# Altium PCB MCH_MAIN.PCBDOC (part 12 of 14)
Units mil, origin at the board's own origin, x right, y up, seen from the top; angles counter-clockwise.
Board outline 7110.66 x 2894.12 mil, 6 copper layers (Top Layer, Power, MidLayer1, MidLayer4, GND, Bottom Layer), stack 61.549 mil thick; 630 components, 1085 nets, 3940 pads, 2676 vias.
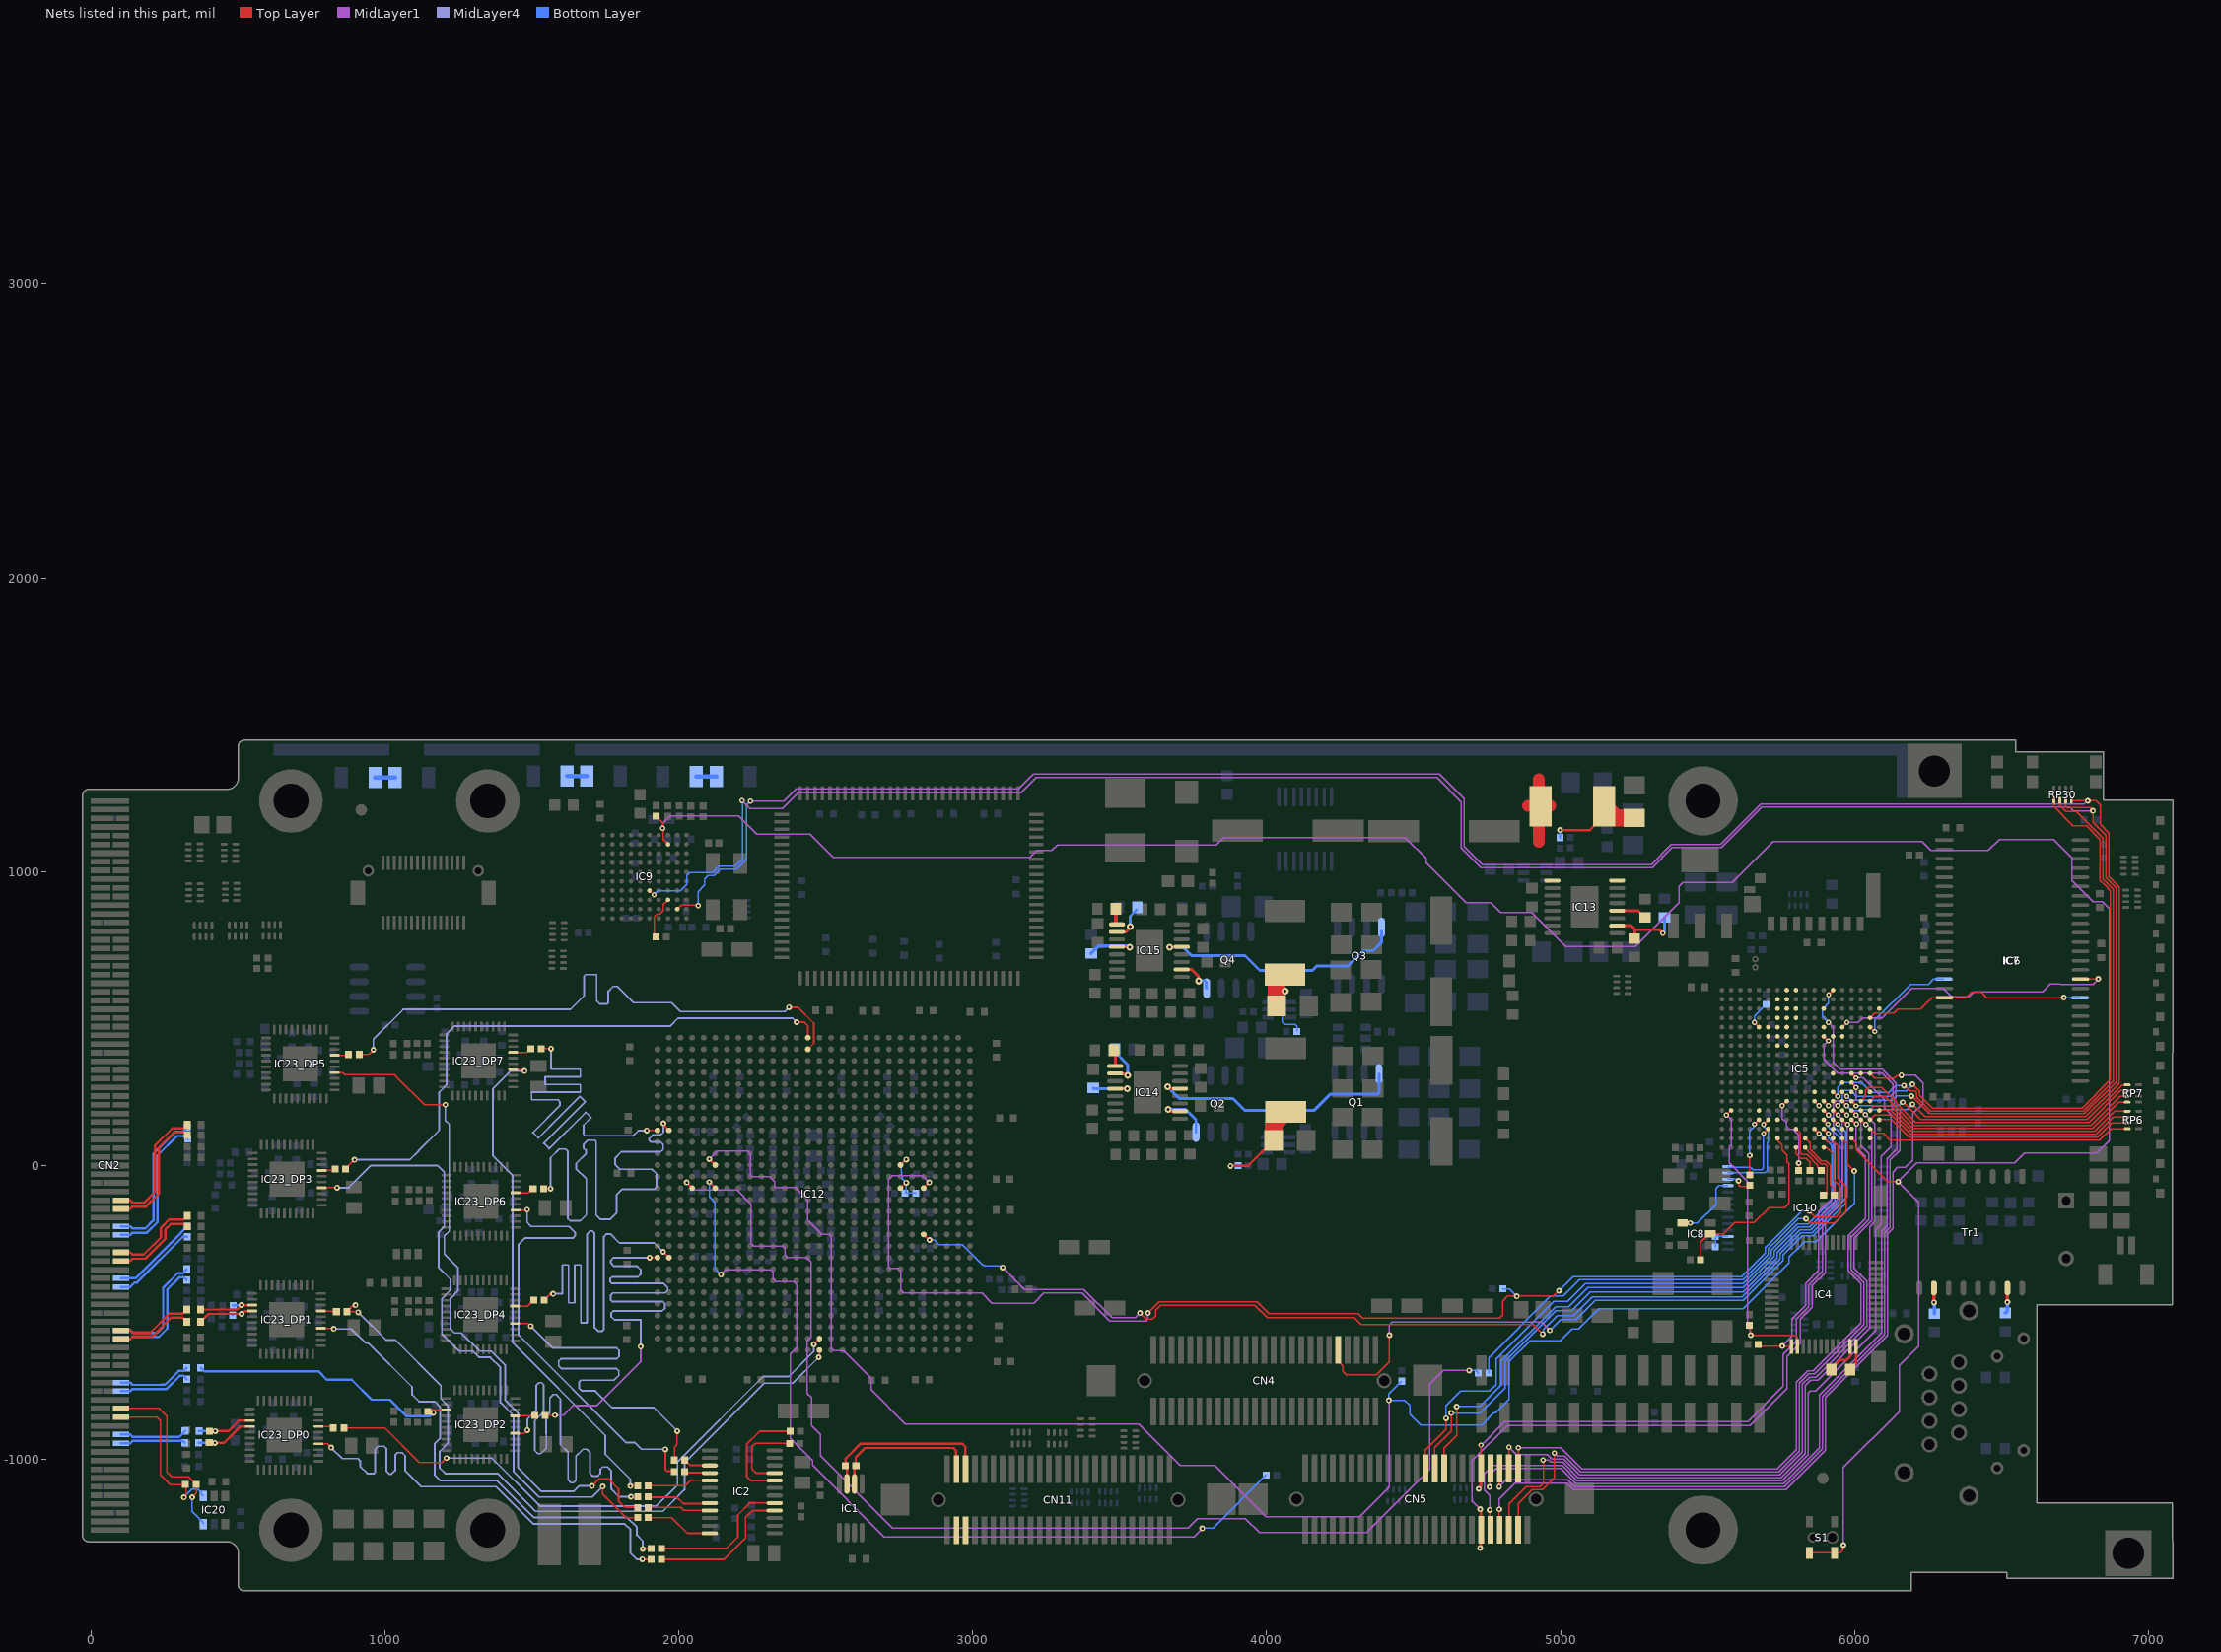
[diagram p16: the nets of this part, all layers, seen from the top]

## Via types
v1: diameter 20, hole 8, Top Layer to Bottom Layer, tented both sides, 1658 vias
v2: diameter 18, hole 8, Top Layer to Bottom Layer, tented both sides, 580 vias
v3: diameter 24, hole 10, Top Layer to Bottom Layer, tented both sides, 438 vias

## Nets (pads, with @x,y where several pads share a name; then routed paths per layer and width w, separated by ;. In a path a pad name is that pad's centre, name@x,y a point inside that pad or via, vN(x,y) a via of type N, cw(c..) or ccw(c..) an arc to the next point about the centre after c; other vN are vias at no path point) (continued)
NetIC4_37: IC4.37 IC5.D11 R47.2 | length 1157.5
  Top Layer w5: R47.2@5671.72,-608.1 5677.72,-614.1 v1(5754,-614.1) IC4.37@5783,-614.1
  Top Layer w8: IC5.D11@5989.56,281.88 v2(6005.31,266.13)
  MidLayer1 w5: v1(5754,-614.1) 5786.15,-581.95 5786.15,-522.75 5834.1,-474.8 5834.1,-423.6 5834.3,-423.4 5834.3,-401 5878.1,-357.2 5878.1,-157.5 5927.3,-108.3 5927.3,101.8 ; 5927.32,101.81 5927.32,115.48 ; 5927.3,115.5 5927.3,210.84 5935.92,219.46 5999.27,219.46 6005.31,225.5 v2(6005.31,266.13)
NetIC4_38: IC4.38 IC5.U14 R48.2 | length 1047.1
  Top Layer w5: v2@5564.39,171.94 5564.39,172.11 5579.89,187.61 IC5.U14@5580,187.72 ; R48.2@5641,-542.82 5646.48,-548.3 5646.6,-548.3 5646.6,-576.5 v1(5646,-577.1) 5797,-577.1 5805,-585.1 IC4.38@5805,-616.1
  MidLayer1 w5: v2@5562.42,173.91 5579.77,156.56 5579.77,71.05 5573.64,64.92 5573.64,8.32 5636.5,-54.54 5636.5,-549.6 5645,-558.1 5645,-574.1 5644,-575.1 v1@5645.72,-576.82 ; v1(5646,-577.1) v1@5645.72,-576.82 ; v1@5648.76,-576.82 v1@5645.72,-576.82
  other v2: 5564.25,171.97
NetIC4_47: IC4.47 R51.2 | length 117.8
  Top Layer w8: R51.2@5921.5,-694.1 5921.5,-690.6 5950,-662.1 5973,-662.1 5985,-650.1 IC4.47@5985,-616.1
NetIC4_48: IC4.48 R51.1 | length 86.5
  Top Layer w8: R51.1@5984.5,-694.1 6005,-673.6 IC4.48@6005,-616.1
NetIC5_A3: IC5.A3
NetIC5_B5: IC5.B5 IC7.39 | length 354.8
  Top Layer w5: IC5.B5@6052.55,470.85 6068.5,454.9 6069,454.9 v2(6069,455.9)
  Bottom Layer w5: v2(6069,455.9) 6069,476.9 6069,494.9 6190.83,616.73 6202,616.73 6251.43,616.73 6268.6,633.9 6269.4,633.9 ; 6269.07,634.18 IC7.39@6302.86,634.18
NetIC5_B12: IC5.B12
NetIC5_C10: IC5.C10
NetIC5_C12: IC5.C12
NetIC5_D12: IC5.D12
NetIC5_E5: IC5.E5 IC6.39 | length 1022.9
  Top Layer w5: IC6.39@6768.84,634.18 IC6.39@6768.84,634.18 6828.48,634.18 v1(6828.9,634.6)
  Top Layer w8: IC5.E5@5958.06,470.85 v2(5973.81,486.6)
  MidLayer1 w5: v2(5973.81,486.6) 6012.16,486.6 6027.9,502.34 6093.91,502.34 6187.33,595.77 ; 6187.4,595.7 6194.2,602.5 6300.8,602.5 6329.6,573.7 6388.55,573.7 6406.22,591.38 6639.68,591.38 6665.2,616.9 6700.66,616.9 6700.83,616.73 6811.03,616.73 v1(6828.9,634.6)
NetIC5_E6: IC5.E6
NetIC5_E11: IC5.E11
NetIC5_F6: IC5.F6
NetIC5_F10: IC5.F10
NetIC5_G3: IC5.G3
NetIC5_G5: IC5.G5
NetIC5_J17: IC5.J17 R71.2 | length 252
  Top Layer w5: IC5.J17@5832.08,92.9 5832.08,92.15 5848.2,76.03 5848.2,56.45 5888.16,16.49 5897,16.49 5902.27,16.49 5917.5,1.26 5917.5,-66.03 5934,-82.53 ; R71.2@5934,-108.38 5934,-82.53 ; 5934.19,-82.72 5934,-82.53
NetIC5_J18: IC5.J18 R72.2 | length 210.9
  Top Layer w5: IC5.J18@5832.08,61.4 5832.08,59.02 5885.63,5.47 5899.15,5.47 5905.31,-0.69 5905.31,-98.07 R72.2@5896,-107.38
NetIC5_K16: IC5.K16 R69.2 | length 187.3
  Top Layer w5: IC5.K16@5800.58,124.4 5800.58,123.65 5814.96,109.27 5814.96,42.81 5821,36.77 5838.32,36.77 5874.74,0.35 5874.74,-6.12 R69.2@5886,-17.38
NetIC5_K18: IC5.K18 R70.2 | length 108.3
  Top Layer w5: IC5.K18@5800.58,61.4 5800.58,41.44 5810.96,31.06 5817.85,24.17 5834.78,24.17 5848,10.95 R70.2@5848,-17.38
NetIC5_L13: IC5.L13 R73.2 | length 273.7
  Top Layer w5: R73.2@5810,-17.38 5810,8.05 v1(5810.17,8.22)
  Top Layer w8: v2(5753.34,203.14) IC5.L13@5769.09,218.88
  MidLayer1 w5: v2(5753.34,203.14) 5753.34,160.48 5767.5,146.32 5767.5,133.9 5778,123.4 5790.42,123.4 5810.17,103.65 v1(5810.17,8.22)
NetIC5_M15: IC5.M15
NetIC5_M17: IC5.M17 IC8.2 R64.2 | length 651.7
  Top Layer w5: R64.2@5475.72,-320.94 5475.72,-262.75 5505.53,-232.94 IC8.2@5509.24,-232.94 5509.4,-233.1 5554,-233.1 5592.5,-194.6 5657.5,-194.6 5709,-143.1 5761.21,-143.1 5775.92,-128.39 5775.92,6.65 5769.81,12.75 5769.81,36.11 5752.85,53.07 5752.85,69.53 5737.48,84.9 5737.48,92.9 IC5.M17@5737.48,93.23
NetIC5_N15: IC5.N15 IC10.13 | length 325
  Top Layer w8: v2(5690.35,140.14) IC5.N15@5706.09,155.89
  Bottom Layer w5: IC10.13@5569.34,-24.94 5695.33,-24.94 5702.24,-18.04 5702.24,75.85 5706.85,80.45 5706.85,117.75 5690.35,134.25 v2(5690.35,140.14)
NetIC5_N16: IC5.N16 IC10.14 | length 267.3
  Top Layer w8: v2(5690.35,108.65) IC5.N16@5706.09,124.4
  Bottom Layer w5: IC10.14@5569.34,-3.29 5571.77,-5.72 5646.22,-5.72 5654.4,-13.9 5684.9,-13.9 5690.23,-8.57 5690.23,35.7 5690.23,78.42 ; 5690.35,78.09 v2(5690.35,108.65)
NetIC5_P5: IC5.P5 R58.2 | length 87.3
  Top Layer w8: v2(5658.85,486.6) IC5.P5@5674.6,470.85
  Bottom Layer w5: v2(5658.85,486.6) 5658.85,509.03 R58.2@5689,539.18
NetIC5_P14: IC5.P14
NetIC5_P15: IC5.P15 R74.1 | length 202
  Top Layer w5: R74.1@5640,-35.38 5643.13,-32.25 v1(5643.13,34.14)
  Top Layer w8: v2(5658.74,140.47) IC5.P15@5674.48,156.22
  Bottom Layer w5: v1@5643.24,37.97 5643.24,117.26 5658.74,132.76 v2(5658.74,140.47)
NetIC8_4: IC8.4 IC10.11 | length 243.8
  Top Layer w5: IC8.4@5414.76,-195.54 5441.5,-195.54 5443.44,-197.49 v1@5442.46,-197.49
  Bottom Layer w5: v1(5440.49,-195.52) 5465.38,-195.52 5527.8,-133.1 ; 5528.09,-133.1 5528.09,-78.39 5538.23,-68.25 IC10.11@5569.34,-68.25
NetIC9_H3: IC9.H3 R93.1 | length 155.8
  Top Layer w5: R93.1@1919.72,774.9 1916.6,778.01 1916.6,845.85 1927.02,856.27 1936.18,856.27 1947.35,867.44 1947.35,887.02 IC9.H3@1963.47,903.14 ; IC9.H3@1963.47,902.43 IC9.H3@1963.47,903.14 ; IC9.H3@1963.47,903.89 IC9.H3@1963.47,903.14
NetIC10_3: IC10.3 R66.1 R67.2 | length 78.6
  Bottom Layer w5: R66.1@5526.72,-277.1 R67.2@5526.72,-241.48 ; R67.2@5526.72,-241.1 R67.2@5526.72,-241.48 ; IC10.3@5569.34,-241.48 R67.2@5526.72,-241.48
NetIC10_12: IC10.12 R74.2 | length 90.3
  Top Layer w5: v1(5605.4,-52.1) 5606,-52.7 5606,-66.1 5611,-71.1 5639.72,-71.1 R74.2@5640,-70.82
  Bottom Layer w5: IC10.12@5569.34,-46.59 5569.85,-47.1 5604.31,-47.1 v1@5607.66,-50.45
NetIC12_M22: IC12.M22 IC12.P22 R21.2 R22.2 | length 218.7
  Top Layer w5: IC12.P22@2754.32,-77.01 v1@2772.94,-58.39 ; IC12.M22@2754.32,1.73 v1@2772.94,20.35
  Bottom Layer w5: v1(2773.92,20.35) 2757.42,3.85 2757.42,-23.33 2757.86,-23.77 2757.86,-42.33 v1(2773.92,-58.39) 2773.92,-89.69 R21.2@2770.12,-93.5 2805.68,-93.5 R22.2@2806.68,-94.5
NetIC12_P4: IC12.P4 R39.2 | length 4210.8
  Top Layer w8: v1@2025.35,-55.43 2045.65,-75.74 IC12.P4@2045.65,-77.01
  MidLayer1 w5: v1@2025.4,-56.7 2052.2,-83.5 2197.8,-83.5 2245.4,-131.1 2245.4,-264.9 2255.2,-274.7 2355,-274.7 2361,-280.7 2361,-303.3 2370.2,-312.5 2434.6,-312.5 2441,-318.9 ; 2444.2,-322.1 2441,-318.9 ; 2449.4,-576.5 2449.4,-572 ; 4553.9,-791.1 4553.9,-833.1 ; 4553.9,-757.2 4553.9,-785.1 ; 4656,-697.1 4640,-697.1 ; v1(4689,-697.1) 4640,-697.1 ; 2441,-318.9 2449.4,-327.3 2449.4,-572 ; 2449.4,-572 2449.4,-584.5 2437.4,-596.5 2437.4,-775.1 2452,-789.7 2452,-885.2 2481.95,-915.15 2481.95,-987.15 2727.4,-1232.6 3733,-1232.6 3764.3,-1201.3 3927.7,-1201.3 3975.24,-1248.84 4339.36,-1248.84 4553.9,-1034.3 4553.9,-833.1 ; 4553.9,-833.1 4553.9,-785.1 ; 4553.9,-785.1 4553.9,-744.2 4601,-697.1 4640,-697.1
  Bottom Layer w5: v1(4689,-697.1) 4711.28,-697.1 R39.2@4720.28,-706.1
  other v1: 2027.4,-57.9
NetIC12_P6: IC12.P6 R68.1 | length 3042.1
  Top Layer w8: v1(2104.05,-56.39) 2124.39,-76.73 IC12.P6@2124.39,-77.01
  MidLayer1 w5: v1(2143.6,-371.1) 2160.2,-354.5 2312.8,-354.5 2320.2,-361.9 2320.2,-384.5 2331.4,-395.7 2391.8,-395.7 2400.8,-404.7 2400.8,-619.7 2379.2,-641.3 2379.2,-904.1 2379.2,-928.3 2454.5,-1003.6 2454.5,-1019.6 2697.8,-1262.9 3753.2,-1262.9 v1(3781.2,-1234.9)
  Bottom Layer w5: v1(2104.05,-56.39) 2104.05,-107.35 2123.8,-127.1 2123.8,-221.1 2124,-221.3 2124,-351.5 v1(2143.6,-371.1) ; v1@3783.1,-1233 3818.38,-1233 R68.1@3998.28,-1053.1
NetIC13_2: IC13.2 R17.1 R23.1 | length 252.7
  Top Layer w10: IC13.2@5191.61,815.62 5239.84,815.62 5253.37,802.09 ; R23.1@5250,772.4 5253.37,775.77 5253.37,802.09 ; v2(5347,790.9) 5335.81,802.09 5333.19,802.09 5326,802.09 5253.37,802.09
  Bottom Layer w10: v2(5347,790.9) 5353,796.9 R17.1@5353,844.4
NetIC13_4: IC13.4 R25.2 | length 105.1
  Top Layer w10: IC13.4@5191.61,866.8 5263.61,866.8 R25.2@5287,843.4
NetIC13_8: IC13.8 IC13.9 L8.1 | length 287.6
  Top Layer w40: 4889.6,1223.4 L8.1@4963.8,1223.4 ; 4926.2,1101.1 4926.2,1314.5
NetIC14_1: IC14.1 R13.1 | length 56.6
  Top Layer w10: R13.1@3479.15,392.3 3484.75,386.7 IC14.1@3484.75,338.04
NetIC14_2: IC14.2 R24.2 | length 149.5
  Top Layer w10: IC14.2@3484.75,312.44 3521.88,312.44 v3(3527.22,307.11)
  Bottom Layer w10: R24.2@3478.54,391.76 3527.22,343.08 v3(3527.22,307.11)
NetIC14_4: IC14.4 R26.2 | length 158.3
  Top Layer w10: IC14.4@3484.75,261.26 v3(3525.81,261.26)
  Bottom Layer w10: R26.2@3409.66,263.81 3412.2,261.26 v3(3525.81,261.26)
NetIC14_10: IC14.10 Q2.4 | length 193.8
  Top Layer w10: v3(3665.01,190.96) 3671.48,184.49 IC14.10@3705.22,184.49
  Bottom Layer w10: v3(3665.01,190.96) 3724.07,190.96 3759.66,155.37 Q2.4@3759.66,113.85
NetIC14_13: IC14.13 Q1.4 | length 896.9
  Top Layer w10: v3(3663.04,267.74) 3669.51,261.26 IC14.13@3705.22,261.26
  Bottom Layer w10: v3(3663.04,267.74) 3682.73,248.05 ; 3674.64,256.14 3682.73,248.05 ; 4232.81,242.47 4215.85,242.47 4160.28,186.9 3926.18,186.9 3885.18,227.9 3702.88,227.9 3682.73,248.05 ; 4233.8,242.47 4376.27,242.47 4381.99,248.19 4381.99,279.55 Q1.4@4381.99,311.93
NetIC15_1: IC15.1 R33.1 | length 51.7
  Top Layer w12: R33.1@3487.27,873.08 3487.27,826.38 IC15.1@3490.8,822.85
NetIC15_2: IC15.2 R35.2 | length 114.6
  Top Layer w10: IC15.2@3491.55,794.58 3521.58,794.58 3536.07,809.07 v3(3536.07,813.01)
  Bottom Layer w10: v3@3536.07,818.92 3536.07,848.44 R35.2@3557.73,870.1
NetIC15_4: IC15.4 R36.2 | length 186.8
  Top Layer w10: IC15.4@3491.55,743.4 3530.88,743.4 v3@3534.1,740.18
  Bottom Layer w12: R36.2@3403,721.4 3427.68,746.08 3461,746.08 3530.17,746.08 v3(3534.1,742.15)
NetIC15_10: IC15.10 Q4.4 | length 132.3
  Top Layer w10: IC15.10@3712.03,666.63 3745.45,666.63 3766.39,645.69 v3@3766.39,627.97
  Bottom Layer w10: v3@3766.39,629.94 v3@3768.36,631.91 ; v3(3768.36,627.97) 3789.63,627.97 3793.5,624.1 3793.5,605.34 Q4.4@3795.79,603.05
NetIC15_13: IC15.13 Q3.4 | length 892.4
  Top Layer w10: v3@3667.96,744.11 3668.68,743.4 IC15.13@3712.03,743.4
  Bottom Layer w10: v3(3669.93,742.15) 3716.5,742.15 3744.38,714.27 3926.37,714.27 3976.87,663.77 4155.07,663.77 4170.45,679.15 4275.85,679.15 4327.38,730.68 4362.75,730.68 4390.29,758.22 ; 4378.59,746.08 4390.4,757.89 Q3.4@4390.4,797.26
NetIC23_DP0_17: IC23_DP0.17 R65_DP0.1 | length 42.9
  Top Layer w5: IC23_DP0.17@775.32,-887.7 R65_DP0.1@818.22,-887.7
NetIC23_DP1_17: IC23_DP1.17 R65_DP1.1 | length 42.9
  Top Layer w5: IC23_DP1.17@783.12,-495.1 R65_DP1.1@826.02,-495.1
NetIC23_DP2_17: IC23_DP2.17 R65_DP2.1 | length 68.1
  Top Layer w5: IC23_DP2.17@1443.39,-851.96 1508.1,-851.96 R65_DP2.1@1510.5,-849.56
NetIC23_DP3_17: IC23_DP3.17 R65_DP3.1 | length 42.9
  Top Layer w5: IC23_DP3.17@784.79,-16.3 R65_DP3.1@827.69,-16.3
NetIC23_DP4_17: IC23_DP4.17 R65_DP4.1 | length 68
  Top Layer w5: IC23_DP4.17@1442.32,-478.16 1485.22,-478.16 R65_DP4.1@1502.98,-460.4
NetIC23_DP5_17: IC23_DP5.17 R65_DP5.1 | length 48.1
  Top Layer w5: IC23_DP5.17@830.39,375.1 874.48,375.1 R65_DP5.1@877.28,377.9
NetIC23_DP6_17: IC23_DP6.17 R65_DP6.1 | length 68
  Top Layer w5: IC23_DP6.17@1444.12,-93.1 1487.02,-93.1 R65_DP6.1@1504.78,-75.34
NetIC23_DP7_17: IC23_DP7.17 R65_DP7.1 | length 65.7
  Top Layer w5: IC23_DP7.17@1435.99,384.84 1483.22,384.84 R65_DP7.1@1496.28,397.9
NetL1_2: L1.2 R97.2 R105.2 | length 322.1
  Top Layer w8: v1(3877,-1.1) 3937.06,-1.1 R97.2@4023.92,85.76
  Top Layer w60: R97.2@4023.92,85.76 4023.92,141.64 L1.2@4064.65,182.37
  Bottom Layer w8: v1(3877,-1.1) 3878,-0.1 R105.2@3902.28,-0.1
NetL2_2: L2.2 R98.2 R107.2 | length 301.8
  Top Layer w60: R98.2@4033.47,543.08 4033.47,621.01 L2.2@4061.79,649.33
  Bottom Layer w5: v3@4063,594.9 4053.81,585.71 4053.81,488.09 4062,479.9 4097,479.9 4103,473.9 4102.72,473.62 R107.2@4102.72,455.9
  other v3: 4063,593.9
NetL8_2: L8.2 R96.2 R103.2 | length 345.6
  Top Layer w8: v1(4998,1140.9) 5099,1140.9 5148.27,1190.17 L8.2@5148.27,1221.9
  Top Layer w60: L8.2@5148.27,1221.9 5187.39,1182.78 R96.2@5250,1182.78
  Bottom Layer w8: R103.2@4998,1115.62 v1(4998,1140.9)
NetR52_2: R52.2 Tr1.10 | length 86.9
  Top Layer w12: v1(6270,-466.1) Tr1.10@6270,-417.1
  Bottom Layer w12: v1(6270,-466.1) 6271,-467.1 R52.2@6271,-503.6
NetR53_2: R53.2 Tr1.15 | length 88.4
  Top Layer w12: v1(6520,-465.1) Tr1.15@6520,-416.1
  Bottom Layer w12: R53.2@6513,-501.6 6520,-494.6 v1(6520,-465.1)
NetR111_2: R111.2 R112.1 | length 67.8
  Bottom Layer w16: R111.2@967.21,1320.06 R112.1@1035.03,1320.06
NetR113_2: R113.2 R114.1 | length 66.8
  Bottom Layer w16: R113.2@1620.6,1325.31 R114.1@1687.42,1325.31
NetR115_2: R115.2 R116.1 | length 67.8
  Bottom Layer w16: R115.2@2060.19,1323.49 R116.1@2128.01,1323.49
PB16: IC5.B17
PB17: IC5.H13 | length 22.3
  Top Layer w8: IC5.H13@5863.57,218.88 v2(5879.32,203.14)
PB18: IC5.G18 IC12.P24 R43.2 | length 4441.2
  Top Layer w5: IC12.P24@2833.06,-77.01 v1@2851.68,-58.39 ; v1(3596,-502.1) 3634,-464.1 3967.5,-464.1 4007.5,-504.1 4311.3,-504.1 4326.41,-519.21 4792.89,-519.21 4802.3,-509.8 4802.3,-461.8 4820,-444.1 4976,-444.1 v1(4994,-426.1) ; v1(5846,-155.1) 5866,-175.1 5936.6,-175.1 5942.8,-168.9 ; IC5.G18@5895.5,60.98 IC5.G18@5895.07,61.4 5904.82,61.4 5927.5,38.73 5927.5,-47.29 5953.31,-73.1 5953.31,-158.73 5942.97,-169.07
  MidLayer1 w5: 2727,-35.1 2713.65,-48.45 2713.65,-346.75 2717,-350.1 2746,-350.1 2755,-359.1 2755,-423.1 2766,-434.1 3032,-434.1 3066,-468.1 3207.3,-468.1 3241.1,-434.3 3372.6,-434.3 3466.7,-528.4 3589.7,-528.4 3596,-522.1 v1@3596,-503.1 ; 2727,-34.8 2727.7,-34.1 2828.9,-34.1 v1(2852.23,-57.43)
  Bottom Layer w5: R43.2@4802.72,-420.1 4826,-420.1 v1(4851,-445.1) ; v1(4994,-426.1) 5042,-378.1 5615.86,-378.1 5696,-297.96 5696,-279.42 5734.5,-240.92 5734.5,-240.46 5779.43,-195.53 ; 5784.86,-190.1 5779.43,-195.53 ; v1(5846,-155.1) 5819.86,-155.1 5779.43,-195.53
PB19: IC5.H12
PB20: IC5.G14 IC12.V24 | length 3871.5
  Top Layer w5: v1(3569,-502.1) 3590,-523.1 3611,-523.1 3622,-512.1 3622,-492.1 3639,-475.1 3960,-475.1 4002,-517.1 4297.9,-517.1 4321.5,-540.7 4906.6,-540.7 v1(4939,-573.1)
  Top Layer w8: IC12.V24@2833.06,-234.49 v1@2850.85,-252.29 ; IC5.G14@5895.07,187.39 v2(5910.82,171.64)
  MidLayer1 w5: v1(3101.8,-346.5) 3176.5,-421.2 3377.6,-421.2 3474.5,-518.1 3553,-518.1 v1(3569,-502.1)
  Bottom Layer w5: v1(2852.66,-253.21) 2868.7,-253.21 2885.2,-269.71 2965.61,-269.71 3034,-338.1 3037.73,-338.1 3040.73,-341.1 3092.2,-341.1 v1@3099.7,-348.6 ; v1(4939,-573.1) 4941,-571.1 4941,-558.35 4989.25,-510.1 5044,-510.1 5107.5,-446.6 5618.07,-446.6 5746,-318.67 5746,-300.13 5784.5,-261.63 ; 5784.5,-261.17 5817.07,-228.6 5854.67,-228.6 5959.48,-123.79 5959.48,102.9 5937.38,125 5936.38,125 5927.3,134.08 5927.3,146.92 5928.3,147.92 5928.3,154.16 v2(5910.82,171.64)
PB21: IC5.G13 | length 22.3
  Top Layer w8: IC5.G13@5895.07,218.88 v2(5910.82,203.14)
PB22: IC5.G17 R39.1 | length 1794.7
  Top Layer w5: v1(5835,-181.1) 5849,-195.1 5931.09,-195.1 5970.41,-155.78 5970.41,-71.3 5942.69,-43.58 5942.69,67.81 5933,77.5 5910.47,77.5 IC5.G17@5895.07,92.9
  Bottom Layer w5: R39.1@4755.72,-706.1 4755.72,-654.38 4759,-651.1 4966,-444.1 5008,-444.1 5064,-388.1 5620,-388.1 5706,-302.1 5706,-292.1 ; 5706,-298.1 5706,-292.1 ; v1(5835,-181.1) 5808,-181.1 5744.5,-244.6 5744.5,-245.06 5706,-283.56 5706,-292.1
PB23: CN5.29 IC5.G15 | length 2241.7
  Top Layer w5: 4570.73,-975.57 4570.73,-1027.77 4570.73,-960.27 4628,-903 v1(4628,-842.1)
  Top Layer w8: IC5.G15@5895.07,155.89 v2(5909.6,140.7)
  Bottom Layer w5: v1(4628,-842.1) 4725,-842.1 4810.5,-756.6 4810.5,-667.12 4983.52,-494.1 5037,-494.1 5100.71,-430.39 5620.14,-430.39 5736,-314.53 5736,-295.99 5774.5,-257.49 5774.5,-257.03 5812.93,-218.6 5850.53,-218.6 5947,-122.13 5947,96.44 5946.95,96.44 5909.6,133.79 v2(5909.6,140.7)
PB24: CN5.27 IC5.H16 | length 2187.6
  Top Layer w5: CN5.27@4539.24,-1027.77 4539.24,-968.26 4610.2,-897.3 4610.2,-860.3 v1(4610,-860.1)
  Top Layer w8: IC5.H16@5863.57,124.4 v2(5879.32,108.65)
  Bottom Layer w5: v1(4610,-860.1) v1@4610,-852.1 ; 4610,-836.1 v1@4610,-852.1 ; v2@5880.56,109.88 5922.7,67.74 5922.7,-118.15 5842.25,-198.6 5804.64,-198.6 5754.5,-248.74 5754.5,-249.2 5716,-287.7 5716,-306.24 5620.5,-401.74 5084.36,-401.74 5024,-462.1 4977,-462.1 4781,-658.1 4781,-745.1 4758,-768.1 4660,-768.1 4610,-818.1 v1@4610,-852.1
PB25: CN4.41 IC5.F15 | length 2444.8
  Top Layer w5: CN4.41@4243.97,-627.77 4243.97,-666.07 4259.1,-681.2 4259.1,-700.15 4270.75,-711.8 4372.98,-711.8 4417,-667.78 v1(4417,-577.1)
  Top Layer w8: IC5.F15@5926.57,155.89 v2@5942.31,140.14
  MidLayer1 w5: v1(4417,-577.1) 4417,-544.1 4427.8,-533.3 4935.2,-533.3 v1(4963,-561.1)
  Bottom Layer w5: v1(4963,-561.1) 5000,-524.1 5052,-524.1 5117.43,-458.67 5620.14,-458.67 5756,-322.81 5756,-304.27 5794.5,-265.77 5794.5,-265.31 5821.21,-238.6 5858.82,-238.6 5969.6,-127.82 5969.6,114.7 5943.8,140.5 v2(5942.8,140.5)
PB26: CN5.39 IC5.F14 | length 2291.8
  Top Layer w5: CN5.39@4728.21,-1027.77 4728.21,-951.19 v2(4728.3,-951.1)
  Top Layer w8: IC5.F14@5926.57,187.39 v2@5942.31,171.64
  Top Layer w12: v1@4727,-1092.3 4728.21,-1091.09 CN5.39@4728.21,-1027.77
  MidLayer1 w5: v2@4728.1,-952.6 4810,-870.7 5636.9,-870.7 5757,-750.6 5757,-643.1 5802.1,-598 5802.1,-522.52 5844.5,-480.12 5844.5,-406.12 5889.98,-360.64 5889.98,-167.78 5958.6,-99.17 5958.6,129.6 ; v2(5943.5,171.5) 5958.6,156.4 5958.6,155 5958.6,129.6 ; 5958.6,132.97 5958.6,129.6
  other v1: 4722,-1100.1
PB27: IC5.F17
PB28: CN5.31 IC5.G16 | length 2123.2
  Top Layer w5: CN5.31@4602.23,-1027.77 4602.23,-961.97 4646,-918.2 v1(4646,-820.1) v1@4647,-819.1
  Top Layer w8: IC5.G16@5895.07,124.4 v2(5910.82,108.65)
  Bottom Layer w5: v1(4646,-820.1) 4725,-820.1 4798,-747.1 4798,-665.48 4983.38,-480.1 5028,-480.1 5092.28,-415.82 5620.57,-415.82 5726,-310.38 5726,-291.84 5764.5,-253.34 5764.5,-252.88 5808.78,-208.6 5846.39,-208.6 5932.7,-122.29 5932.7,73.07 5911.2,94.57 v2@5911.2,104.5 ; v2@5913.32,104.5 v2@5913.32,107.83
PB29: IC5.F16
PB30: CN5.40 IC5.E15 | length 2490.3
  Top Layer w8: v1(4726,-1301.9) 4728.21,-1299.69 4728.21,-1236.43 4728.21,-1170.91 v1(4726.4,-1169.1) ; IC5.E15@5958.06,155.89 v2@5973.81,140.14
  MidLayer1 w5: v1(4726.4,-1169.1) 4699.1,-1141.8 4699.1,-1003.9 4819,-884 5643.7,-884 5769.6,-758.1 5769.6,-650.4 5815.6,-604.4 5815.6,-523.17 5856.2,-482.57 5856.2,-408.57 5899.98,-364.78 5899.98,-179.72 5973.81,-105.89 5973.81,140.14 5975.66,140.14 v2(5975.7,140.1)
PB31: IC5.E17 IC12.M6 R40.2 | length 5904.1
  Top Layer w5: IC12.M6@2124.39,1.73 IC12.M6@2124.39,2.01 ; IC5.E17@5958.06,92.9 5958.06,90.15 5973.8,74.41 5973.8,59.9 ; 5973.8,55.42 5973.8,59.9 ; v1(5999,-19.1) 5973.8,6.1 5973.8,59.9
  Top Layer w8: v1(2104.05,22.35) IC12.M6@2124.39,2.01
  MidLayer1 w5: v1(2104.05,22.35) 2130.8,49.1 2234.4,49.1 2244,39.5 2244,-34.1 2248.2,-38.3 2309.2,-38.3 2326.2,-55.3 2326.2,-70.7 2330,-74.5 2397.2,-74.5 2438.8,-116.1 2438.8,-185.3 2487,-233.5 2512.3,-233.5 2518.3,-239.5 2518.3,-622.3 2526.6,-630.6 2560.5,-630.6 2654,-724.1 2654,-762.1 2770.7,-878.8 3564.5,-878.8 3706.15,-1020.45 3824.15,-1020.45 3997.88,-1194.18 4316.72,-1194.18 4416.3,-1094.6 v1@4416.3,-798.7
  Bottom Layer w5: R40.2@4459,-733.82 4415.4,-777.42 v1(4415.4,-798.6) 4469.5,-798.6 4487.5,-816.6 4487.5,-846.6 4523.7,-882.8 4731.3,-882.8 4773,-841.1 4779.33,-841.1 4824.5,-795.93 4824.5,-667.27 4895.67,-596.1 4998,-596.1 5038.5,-555.6 5061.5,-555.6 5118,-499.1 5119,-499.1 5131,-487.1 5619.99,-487.1 5776,-331.09 5776,-319.8 5777,-318.8 5777,-311.55 5814.5,-274.05 5814.5,-273.59 5829.49,-258.6 5868.5,-258.6 5999,-128.1 v1(5999,-19.1)
PC0: IC5.E16
PC1: IC5.D17 IC9.H9 R92.2 S1.B S1.D | length 8963.2
  Top Layer w5: R92.2@1923,1188.18 1946.35,1164.83 1946.35,1146.55 v2(1946,1146.9) ; v2@1947.6,1146.7 1947.6,1108.9 1963.47,1093.03 IC9.H9@1963.47,1092.87 ; S1.B@5845.81,-1318.08 S1.D@5932.43,-1318.08 5951.42,-1318.08 5959.8,-1309.7 5959.8,-1294.1 v1@5960.6,-1293.3 ; IC5.D17@5989.56,92.9 6005.68,76.78 6005.68,51.82 6112.6,-55.1 v1(6148,-55.1)
  MidLayer1 w5: v2(1946,1146.9) 1946,1164.9 1970.5,1189.4 2204.17,1189.4 2266.17,1127.4 2447.2,1127.4 2525.28,1049.32 3194.82,1049.32 3217.9,1072.4 3269.2,1072.4 3287.8,1091 3827.67,1091 3853.1,1116.43 4470.97,1116.43 4542.45,1044.95 4542.45,1030.74 4679.29,893.9 4762.55,893.9 4795.55,860.9 4901.96,860.9 5017.57,745.28 5253.38,745.28 5403,894.9 5403,948.9 5417,962.9 5584,962.9 5722.7,1101.6 6229,1101.6 6259,1071.6 6454.55,1071.6 6491.85,1108.9 6676.35,1108.9 6738.7,1046.55 6738.7,969.8 6810.4,898.1 6842.9,898.1 6866.2,874.8 6866.2,84.9 6823.8,42.5 6579,42.5 6544.9,8.4 6211.5,8.4 v1(6148,-55.1) 6218,-125.1 6218,-614.1 6152,-680.1 6152,-837.1 5961.8,-1027.3 v1(5961.8,-1291.1)